# Altium PCB Spektrop2_Processor_Board_V1.PcbDoc (part 1 of 5) (continued)
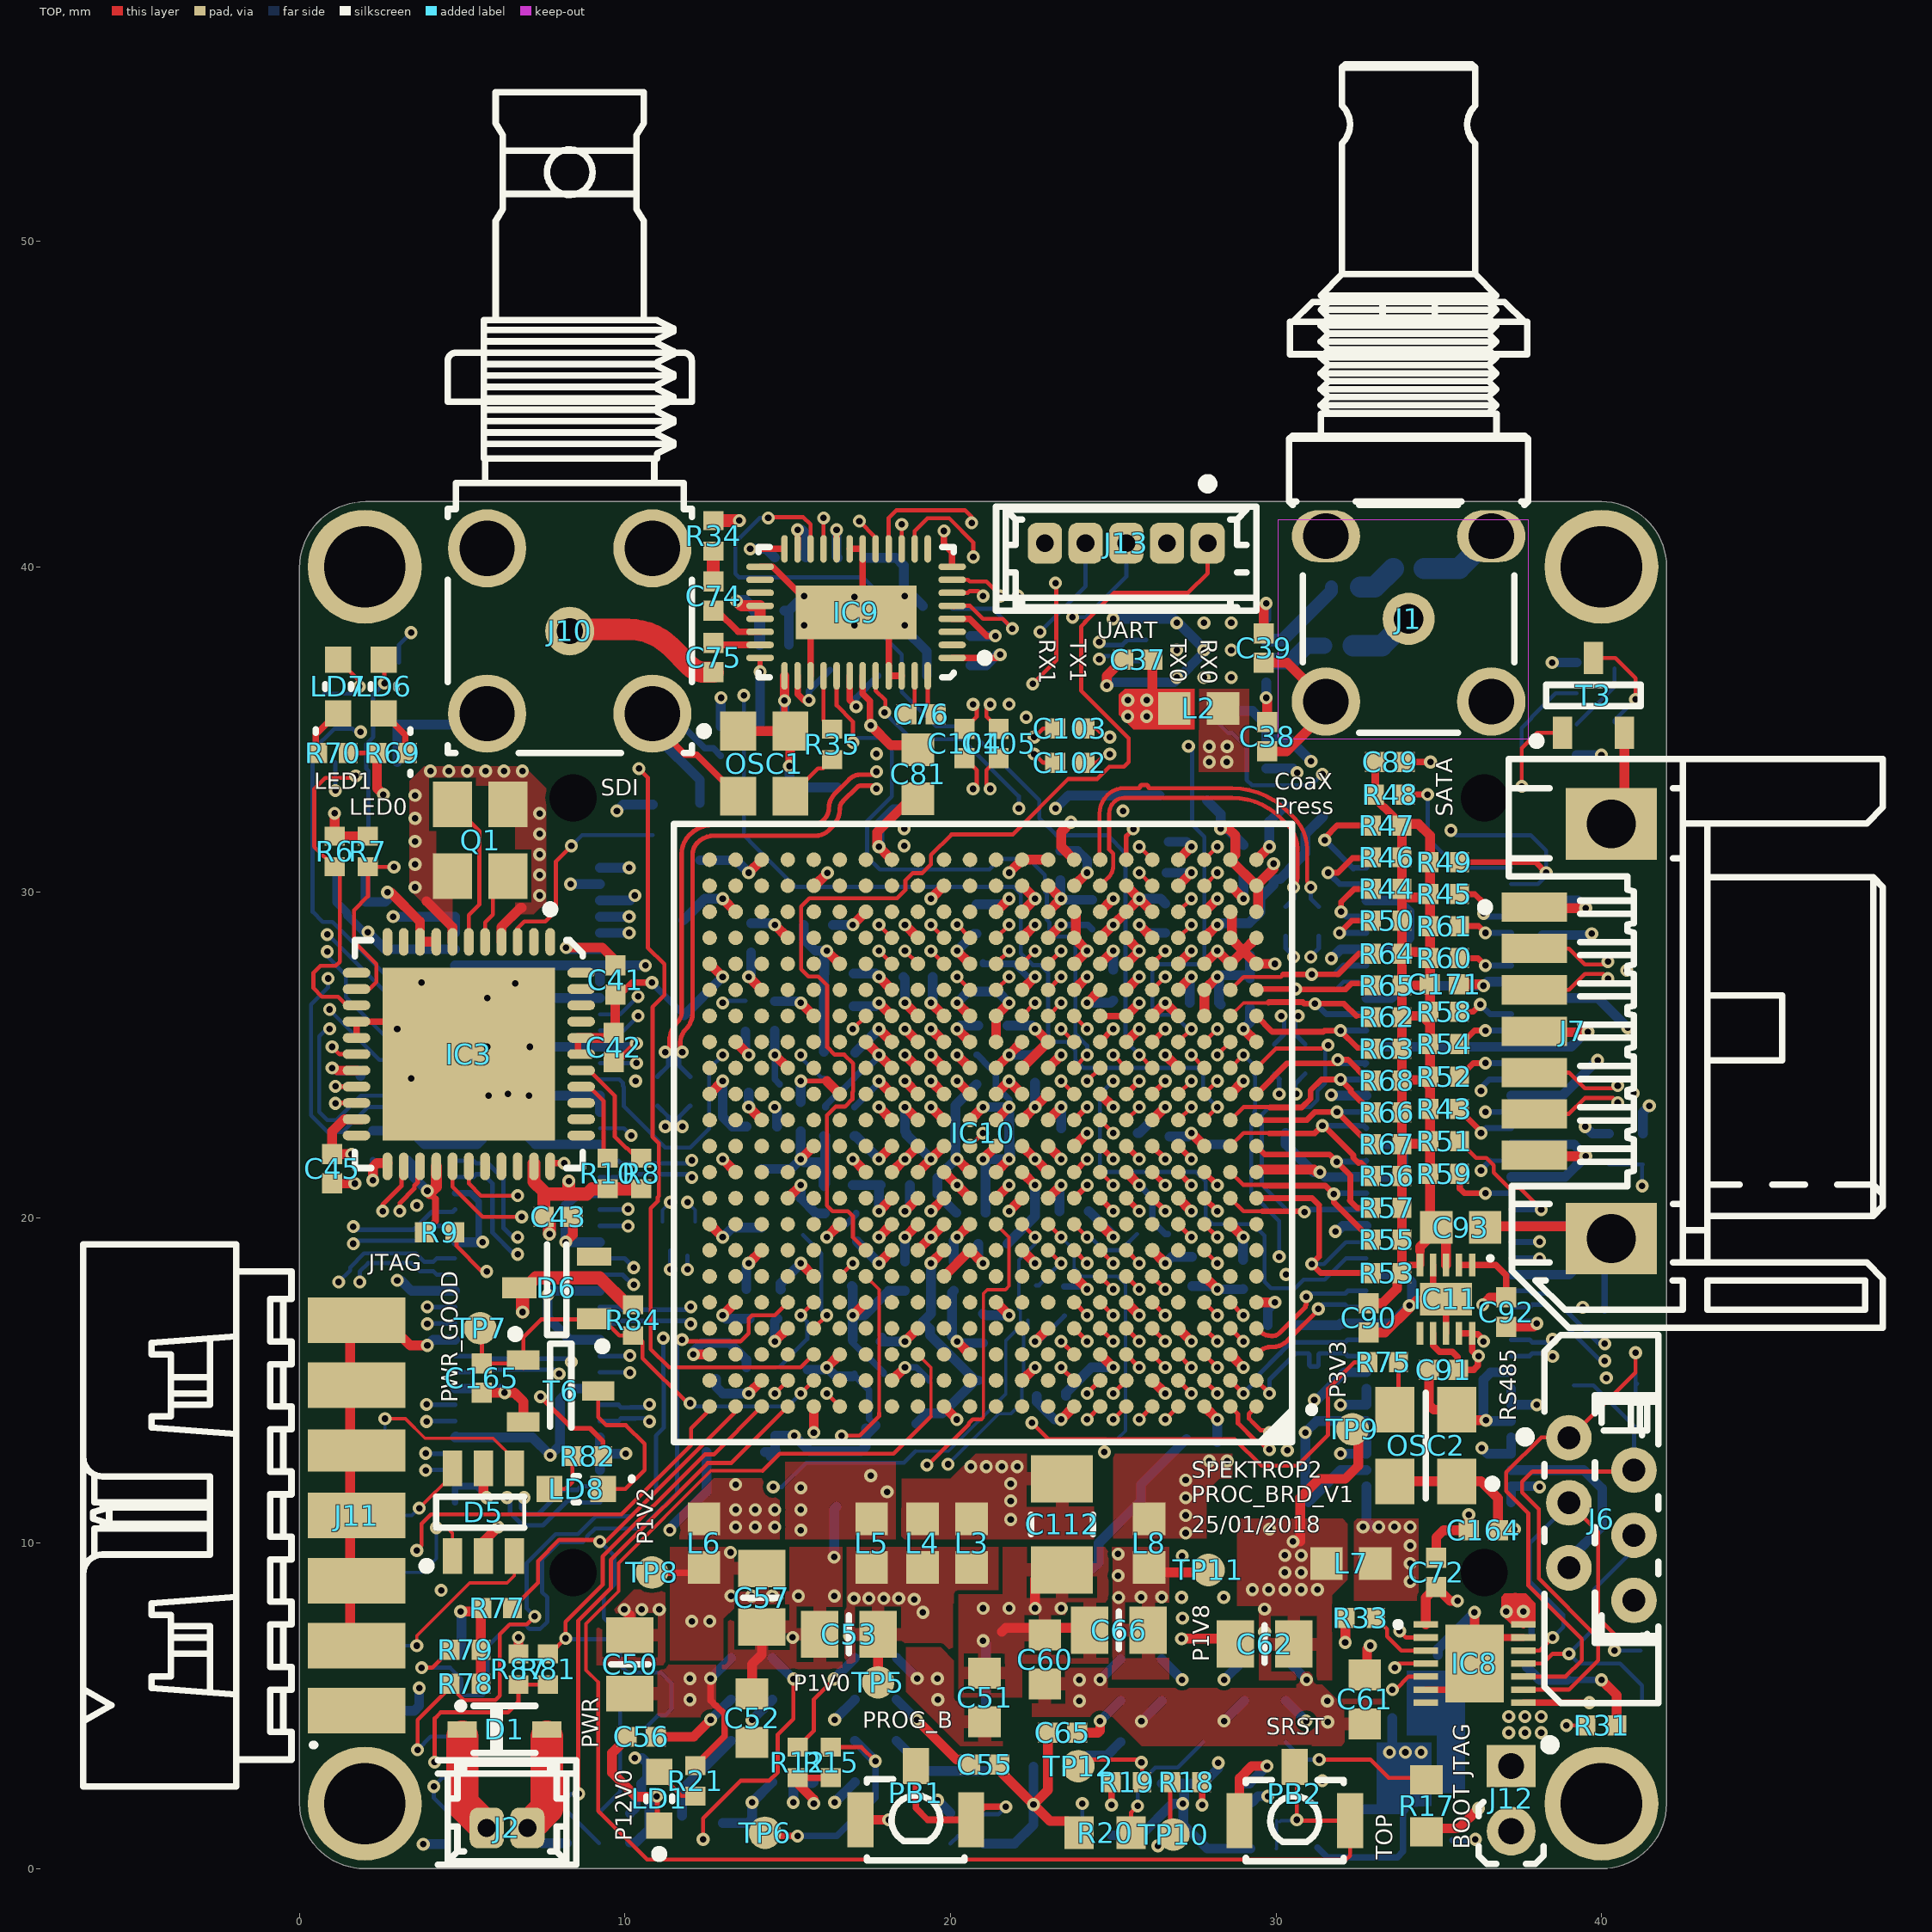
[diagram p0: TOP view]
## Classes and differential pairs (continued)
component class U_Zynq_FPGA_Bank13: IC10
net class MGT: MGT_RX0_C_N MGT_RX0_C_P MGT_RX0_N MGT_RX0_P MGT_TX0_C_N MGT_TX0_C_P MGT_TX0_N MGT_TX0_P MGT_TX1_C_N MGT_TX1_C_P MGT_TX1_N MGT_TX1_P MGT_TX2_C_N MGT_TX2_C_P MGT_TX2_N MGT_TX2_P nSDO0 nSDO0_C SDO0 SDO0_C
net class CLK: CLK_MGT0_C_N CLK_MGT0_C_P CLK_MGT0_N CLK_MGT0_P CLK_MGT1_C_N CLK_MGT1_C_P CLK_MGT1_N CLK_MGT1_P
net class HSTL_IN: FPGA_BANK34_HSTL_IN_IO0 FPGA_BANK34_HSTL_IN_IO1 FPGA_BANK34_HSTL_IN_IO5 FPGA_BANK34_HSTL_IN_IO7 FPGA_BANK34_HSTL_IN_IO8 FPGA_BANK34_HSTL_IN_IO10 FPGA_BANK34_HSTL_IN_IO11 FPGA_BANK34_HSTL_IN_IO12 FPGA_BANK34_HSTL_IN_IO13 FPGA_BANK34_HSTL_IN_IO14 FPGA_BANK34_HSTL_IN_IO15 FPGA_BANK34_HSTL_IN_IO16 FPGA_BANK34_HSTL_IN_IO17 FPGA_BANK34_HSTL_IN_IO18 FPGA_BANK34_HSTL_IN_IO19 FPGA_BANK34_HSTL_IN_IO20 FPGA_BANK34_HSTL_IN_IO21 FPGA_BANK34_HSTL_IN_IO22 FPGA_BANK34_HSTL_IN_IO23 FPGA_BANK34_HSTL_IN_IO24 FPGA_BANK34_HSTL_IN_IO25 FPGA_BANK34_HSTL_IO3 GS12281_GPIO1 SI5340_LOS_XAXBb Si5340_nLOL SI5340_nRST
net class CTRL: PS_CLK PS_SRST_B
differential pair FPGA_BANK35_DIFF19: +FPGA_BANK35_DIFF19_P -FPGA_BANK35_DIFF19_N
differential pair FPGA_BANK35_DIFF18: +FPGA_BANK35_DIFF18_P -FPGA_BANK35_DIFF18_N
differential pair FPGA_BANK35_DIFF17: +FPGA_BANK35_DIFF17_P -FPGA_BANK35_DIFF17_N
differential pair FPGA_BANK35_DIFF16: +FPGA_BANK35_DIFF16_P -FPGA_BANK35_DIFF16_N
differential pair FPGA_BANK35_DIFF15: +FPGA_BANK35_DIFF15_P -FPGA_BANK35_DIFF15_N
differential pair FPGA_BANK35_DIFF14: +FPGA_BANK35_DIFF14_P -FPGA_BANK35_DIFF14_N
differential pair FPGA_BANK35_DIFF13: +FPGA_BANK35_DIFF13_P -FPGA_BANK35_DIFF13_N
differential pair FPGA_BANK35_DIFF12: +FPGA_BANK35_DIFF12_P -FPGA_BANK35_DIFF12_N
differential pair FPGA_BANK35_DIFF11: +FPGA_BANK35_DIFF11_P -FPGA_BANK35_DIFF11_N
differential pair FPGA_BANK35_DIFF10: +FPGA_BANK35_DIFF10_P -FPGA_BANK35_DIFF10_N
differential pair FPGA_BANK35_DIFF9: +FPGA_BANK35_DIFF9_P -FPGA_BANK35_DIFF9_N
differential pair FPGA_BANK35_DIFF8: +FPGA_BANK35_DIFF8_P -FPGA_BANK35_DIFF8_N
differential pair FPGA_BANK35_DIFF7: +FPGA_BANK35_DIFF7_P -FPGA_BANK35_DIFF7_N
differential pair FPGA_BANK35_DIFF6: +FPGA_BANK35_DIFF1_P -FPGA_BANK35_DIFF1_N
differential pair FPGA_BANK35_DIFF5: +FPGA_BANK35_DIFF5_P -FPGA_BANK35_DIFF5_N
differential pair FPGA_BANK35_DIFF4: +FPGA_BANK35_DIFF4_P -FPGA_BANK35_DIFF4_N
differential pair FPGA_BANK35_DIFF3: +FPGA_BANK35_DIFF3_P -FPGA_BANK35_DIFF3_N
differential pair FPGA_BANK35_DIFF2: +FPGA_BANK35_DIFF2_P -FPGA_BANK35_DIFF2_N
differential pair FPGA_BANK35_DIFF1: +FPGA_BANK35_DIFF6_P -FPGA_BANK35_DIFF6_N
differential pair MGT_TX1: +MGT_TX1_P -MGT_TX1_N
differential pair CLK_MGT1: +CLK_MGT1_P -CLK_MGT1_N
differential pair CLK_MGT1_C: +CLK_MGT1_C_P -CLK_MGT1_C_N
differential pair CLK_MGT0: +CLK_MGT0_P -CLK_MGT0_N
differential pair CLK_MGT0_C: +CLK_MGT0_C_P -CLK_MGT0_C_N
differential pair MGT_TX0: +MGT_TX0_P -MGT_TX0_N
differential pair MGT_TX2: +MGT_TX2_P -MGT_TX2_N
differential pair MGT_TX0_C: +MGT_TX0_C_P -MGT_TX0_C_N
differential pair MGT_TX1_C: +MGT_TX1_C_P -MGT_TX1_C_N
differential pair MGT_TX2_C: +MGT_TX2_C_P -MGT_TX2_C_N
differential pair MGT_RX0_C: +MGT_RX0_C_P -MGT_RX0_C_N
differential pair MGT_RX0: +MGT_RX0_P -MGT_RX0_N

## Components (designator, comment, footprint, x,y, rotation, side; value= is the part's Value field where it differs from the comment)
C35 "33nF" CAPC1005X55N 31.925,37.575 r180 bottom
C36 "33nF" CAPC1005X55N 32.15,39.375 r180 bottom locked
C37 "100nF" CAPC1005X55N 25.75,37.15 r180 top locked
C38 "10nF" CAPC1005X55N 29.725,34.775 r270 top locked
C39 "10nF" CAPC1005X55N 29.625,37.5 r270 top locked
C40 "10nF" CAPC1005X55N 29.7,34.25 r270 bottom locked
C41 "1uF" CAPC1005X55N 9.7,27.3 r270 top locked
C42 "1uF" CAPC1005X55N 9.65,25.225 r90 top locked
C43 "1uF" CAPC1005X55N 7.95,20.025 r180 top locked
C44 "1uF" CAPC1005X55N 3.3,22.225 r270 bottom locked
C45 "1uF" CAPC1005X55N 1,21.5 r90 top locked
C46 "1uF" CAPC1005X55N 1.575,30.725 r0 bottom locked
C47 "1uF" CAPC1005X55N 1.575,29.7 r0 bottom locked
C48 "1uF" CAPC1005X55N 2.325,24.35 r180 bottom locked
C49 "1uF" CAPC1005X55N 2.25,22.225 r270 bottom locked
C50 "10uF" CAPC2012X95N 10.15,6.275 r270 top locked
C51 "4.7uF" CAPC1709X95N 21.045,5.26 r270 top locked
C52 "4.7uF" CAPC1709X95N 13.9,4.625 r270 top locked
C53 "47uF" CAPC2012X140N 16.875,7.2 r0 top locked
C54 "22uF" CAPC1709X100N 18.4,9.216 r180 bottom locked
C55 "100nF" CAPC1005X55N 21.05,3.2 r180 top locked
C56 "100nF" CAPC1005X55N 10.5,4.05 r0 top locked
C57 "47uF" CAPC2012X140N 14.2,8.325 r90 top locked
C58 "22uF" CAPC1709X100N 14.825,9.225 r180 bottom
C59 "10uF" CAPC2012X95N 22.6,6.025 r270 bottom locked
C60 "4.7uF" CAPC1709X95N 22.9,6.425 r270 top locked
C61 "4.7uF" CAPC1709X95N 32.725,5.2 r270 top locked
C62 "47uF" CAPC2012X140N 29.65,6.9 r0 top locked
C63 "22uF" CAPC1709X100N 28.725,9.45 r0 bottom locked
C64 "100nF" CAPC1005X55N 24.5,1.025 r180 bottom locked
C65 "100nF" CAPC1005X55N 23.44,4.173 r0 top locked
C66 "47uF" CAPC2012X140N 25.175,7.325 r0 top locked
C67 "22uF" CAPC1709X100N 25.147,9.2 r0 bottom locked
C72 "100nF" CAPC1005X55N 34.925,9.1 r270 top locked
C73 "1uF" CAPC1005X55N 37.7,6.65 r90 bottom locked
C74 "4.7uF" CAPC1005X55N 12.712,39.1 r90 top locked
C75 "4.7uF" CAPC1005X55N 12.712,37.208 r270 top locked
C76 "470nF" CAPC1005X55N 19.096,35.468 r180 top locked
C77 "10nF" CAPC1005X55N 12.944,34.642 r90 bottom locked
C78 "10nF" CAPC1005X55N 19.6,38.8 r0 bottom locked
C79 "1uF" CAPC1005X55N 20.55,37.45 r90 bottom locked
C80 "100nF" CAPC1005X55N 16.989,40.277 r180 bottom locked
C81 "10uF" CAPC1608X80N 19,33.625 r90 top locked
C82 "100nF" CAPC1005X55N 14.6,35.1 r0 bottom locked
C83 "100nF" CAPC1005X55N 15.1,40.275 r180 bottom locked
C84 "10uF" CAPC1608X80N 16.3,37.575 r270 bottom locked
C85 "10uF" CAPC1608X80N 18.525,36.65 r180 bottom locked
C86 "100nF" CAPC1005X55N 14.584,38.649 r180 bottom locked
C87 "100nF" CAPC1005X55N 14.584,37.61 r180 bottom locked
C88 "100nF" CAPC1005X55N 21.025,1.22 r90 bottom locked
C89 "100nF" CAPC1005X55N 33.5,34 r180 top locked
C90 "100nF" CAPC1005X55N 32.85,16.925 r90 top locked
C91 "1uF" CAPC1005X55N 35.15,15.325 r0 top locked
C92 "100nF" CAPC1005X55N 37.075,17.1 r270 top locked
C93 "10uF" CAPC1608X80N 35.675,19.7 r180 top locked
C94 "100nF" CAPC1005X55N 10.995,23.886 r90 bottom locked
C95 "100nF" CAPC1005X55N 12,23.886 r90 bottom locked
C96 "100nF" CAPC1005X55N 11.153,19.426 r90 bottom
C97 "100nF" CAPC1005X55N 12.158,19.426 r90 bottom
C98 "100nF" CAPC1005X55N 30.298,29.106 r90 bottom locked
C99 "100nF" CAPC1005X55N 29.945,24.874 r270 bottom locked
C100 "100nF" CAPC1005X55N 31.314,29.106 r90 bottom locked
C101 "100nF" CAPC1005X55N 30.9,24.875 r270 bottom locked
C102 "100nF" CAPC1005X55N 23.667,33.98 r180 top locked
C103 "100nF" CAPC1005X55N 23.667,35.029 r180 top locked
C104 "100nF" CAPC1005X55N 20.432,34.571 r90 top locked
C105 "100nF" CAPC1005X55N 21.48,34.571 r90 top locked
C106 "4.7uF" CAPC1005X55N 23.4,30.825 r270 bottom locked
C107 "100nF" CAPC1005X55N 26.7,31.1 r90 bottom locked
C108 "100nF" CAPC1005X55N 29,31 r90 bottom locked
C109 "330uF" CAPMP3528X210N 24.525,11.75 r0 bottom locked
C110 "4.7uF" CAPC1005X55N 16.6,25.1 r180 bottom locked
C111 "4.7uF" CAPC1005X55N 23.8,20.2 r0 bottom locked
C112 "100uF" CAPC3216X190N 23.425,10.575 r270 top locked
C113 "4.7uF" CAPC1005X55N 20.1,18.2 r270 bottom locked
C114 "47uF" CAPC2012X140N 13.4,12.8 r180 bottom locked
C115 "4.7uF" CAPC1005X55N 28.993,18.331 r270 bottom locked
C116 "4.7uF" CAPC1005X55N 29.199,26.9 r90 bottom locked
C117 "47uF" CAPC2012X140N 12.3,31.85 r90 bottom locked
C118 "4.7uF" CAPC1005X55N 16.564,27.5 r180 bottom locked
C119 "4.7uF" CAPC1005X55N 15.936,28.991 r180 bottom locked
C120 "47uF" CAPC2012X140N 14.199,20.6 r90 bottom locked
C121 "470nF" CAPC1005X55N 18.599,18.2 r270 bottom locked
C122 "470nF" CAPC1005X55N 16.7,22.5 r180 bottom locked
C123 "470nF" CAPC1005X55N 17.1,19.7 r90 bottom locked
C124 "470nF" CAPC1005X55N 21.3,19.2 r180 bottom locked
C125 "470nF" CAPC1005X55N 16.549,21 r180 bottom locked
C126 "470nF" CAPC1005X55N 18.3,21 r0 bottom locked
C127 "470nF" CAPC1005X55N 16.7,23.4 r180 bottom locked
C128 "470nF" CAPC1005X55N 26.275,22.5 r180 bottom locked
C129 "470nF" CAPC1005X55N 19,27.4 r0 bottom locked
C130 "470nF" CAPC1005X55N 15.4,23.1 r270 bottom locked
C131 "470nF" CAPC1005X55N 13.869,28.6 r270 bottom locked
C132 "470nF" CAPC1005X55N 20.9,29.175 r90 bottom locked
C133 "470nF" CAPC1005X55N 14.599,26.2 r270 bottom locked
C134 "4.7uF" CAPC1005X55N 26.6,29.3 r90 bottom locked
C135 "100nF" CAPC1005X55N 24.349,29.318 r90 bottom locked
C136 "100nF" CAPC1005X55N 27.799,26.6 r0 bottom locked
C137 "47uF" CAPC2012X140N 27.325,32.975 r0 bottom locked
C138 "4.7uF" CAPC1005X55N 23.5,17.435 r270 bottom locked
C139 "4.7uF" CAPC1005X55N 23.1,14.525 r180 bottom locked
C140 "100uF" CAPC3216X190N 17.925,33.225 r0 bottom locked
C141 "4.7uF" CAPC1005X55N 17.449,16.2 r180 bottom locked
C142 "470nF" CAPC1005X55N 20.999,16.6 r270 bottom locked
C143 "100uF" CAPC3216X190N 17.875,11.1 r180 bottom locked
C144 "4.7uF" CAPC1005X55N 21.3,25.9 r180 bottom locked
C145 "470nF" CAPC1005X55N 22.6,24.6 r90 bottom locked
C146 "4.7uF" CAPC1005X55N 29.175,28.6 r270 bottom locked
C147 "470nF" CAPC1005X55N 27.75,13.2 r180 bottom locked
C148 "470nF" CAPC1005X55N 30.199,16.7 r0 bottom locked
C149 "470nF" CAPC1005X55N 27.425,18.275 r270 bottom locked
C150 "470nF" CAPC1005X55N 20.625,20.15 r0 bottom locked
C151 "100nF" CAPC1005X55N 20.825,24.55 r90 bottom locked
C152 "47uF" CAPC2012X140N 29.4,22.25 r0 bottom locked
C153 "4.7uF" CAPC1005X55N 13.724,17.35 r90 bottom locked
C154 "470nF" CAPC1005X55N 14.215,24.1 r0 bottom locked
C155 "470nF" CAPC1005X55N 12.8,15.7 r90 bottom locked
C156 "100uF" CAPC3216X190N 11.696,27.737 r90 bottom locked
C157 "4.7uF" CAPC1005X55N 21,27.4 r90 bottom locked
C158 "470nF" CAPC1005X55N 16.564,26.45 r180 bottom locked
C159 "100uF" CAPC3216X190N 29.725,11.35 r0 bottom locked
C160 "4.7uF" CAPC1005X55N 14.679,17.342 r270 bottom locked
C161 "470nF" CAPC1005X55N 17.5,15.2 r0 bottom locked
C162 "470nF" CAPC1005X55N 19.675,16.825 r0 bottom locked
C163 "10uF" CAPC1608X80N 20.05,15.1 r180 bottom
C164 "100nF" CAPC1005X55N 36.375,10.4 r180 top locked
C165 "4.7uF" CAPC1005X55N 5.6,15.075 r270 top locked
C166 "100nF" CAPC1005X55N 29.565,0.616 r180 bottom locked
C167 "100nF" CAPC1005X55N 10.15,1.25 r270 bottom locked
C168 "1uF" CAPC1005X55N 31.3,1.025 r90 bottom locked
C169 "10uF" CAPC1005X70N 34.975,6.1 r270 bottom locked
C170 "1uF" CAPC1005X55N 34.025,4.625 r0 bottom locked
C171 "100nF" CAPC1005X55N 35.175,27.175 r180 top
D1 "CDSOD323-T12" SOD2513X114N 6.3,4.275 r0 top locked
D3 "SM712" SOT95P237X112-3N 40.1,16 r90 bottom locked
D4 "SM712" SOT95P237X112-3N 40.1,5.8 r180 bottom locked
D5 "PESD3V3S4UD" SOT95P280X110-6N 5.65,10.95 r90 top locked
D6 "BAT54" SOT95P240X130-3N 7.9,17.85 r180 top locked
IC2 "EQCO62T20.3" QFN65P400X400X95-17N-S215 27.85,37.425 r0 bottom locked
IC3 "SI5340B-D-GM" QFN50P700X700X90-45N-S530 5.2,25.025 r270 top locked
IC4 "LTM4622AEY#PBF" BGA25C127P5X5_625X625X262 15.795,5.2 r270 bottom locked
IC5 "LTM4622AEY#PBF" BGA25C127P5X5_625X625X262 27.76,5.16 r270 bottom locked
IC8 "MAX13433EETD+" SON40P300X300X80-15N-R180X240 36.1,6.3 r0 top locked
IC9 "GS12281-INE3" QFN40P600X400X100-41N-R370X168 17.1,38.6 r180 top locked
IC10 "XC7Z015-2CLG485E" BGA484C80P22X22_1900X1900X160 20.999,22.6 r180 top locked
IC11 "TPS51206DSQT" SON40P200X200X80-11N-R100X160 35.225,17.5 r270 top locked
IC12 "S25FL128LAGNFV01" SON127P600X500X80-9N-R350X410 7.825,4.69 r0 bottom locked
IC13 "LP38693SDX-5.0/NOPB" SON95P300X300X80-7N-R170X220 33.925,1.825 r0 bottom locked
J1 "75R" AMPHENOL_282139-75 34.075,38.4 r270 top locked
J2 "PicoBlade" MOLEX_53047-0210 6.375,1.25 r0 top locked
J6 "FFC/FPC" MOLEX_52030-0629 40,10.741 r270 top locked
J7 "SATA" 3M_5607-4200-SH 37.94,25.73 r90 top locked
J8 "Socket 80" SAMTEC_ERF5-040-05.0-L-DV-K 7,21 r90 bottom locked
J9 "Socket 80" SAMTEC_ERF5-040-05.0-L-DV-K 35,21 r90 bottom locked
J10 "HD-BNC" AMPHENOL_34-1030-12G 8.3,38.025 r270 top locked
J11 "Milli-Grid™" MOLEX_87831-1420_h -0.25,10.85 r90 top locked
J12 "Header 2" HARWIN_M22-2510205 37.225,3.15 r270 top locked
J13 "PicoBlade" MOLEX_53047-0510 25.4,40.725 r180 top locked
L2 "120R@100MHz" INDC1608X65N 27.625,35.65 r180 top locked
L3 "120R@100MHz" INDC1608X65N 20.65,10 r90 top locked
L4 "120R@100MHz" INDC1608X65N 19.137,10 r90 top locked
L5 "120R@100MHz" INDC1608X65N 17.575,10 r90 top locked
L6 "120R@100MHz" INDC1608X65N 12.425,10 r90 top locked
L7 "120R@100MHz" INDC1608X65N 32.3,9.375 r0 top
L8 "120R@100MHz" INDC1608X65N 26.1,10 r90 top locked
L9 "120R@100MHz" INDC1608X65N 19.4,22.6 r180 bottom locked
L10 "120R@100MHz" INDC1608X65N 22.6,22.6 r0 bottom locked
L11 "120R@100MHz" INDC1608X65N 31.025,32.6 r0 bottom locked
L12 "120R@100MHz" INDC1608X65N 18.225,13.65 r0 bottom locked
LD1 "Green" LED_KINGBRIGHT_KPH-1608CGCK 11.05,2.15 r90 top locked
LD5 "Green" LED_KINGBRIGHT_KPH-1608CGCK 40.403,36.047 r90 bottom locked
LD6 "Green" LED_KINGBRIGHT_KPH-1608CGCK 2.586,36.321 r270 top locked
LD7 "Green" LED_KINGBRIGHT_KPH-1608CGCK 1.186,36.321 r270 top locked
LD8 "Green" LED_KINGBRIGHT_KPH-1608CGCK 8.5,11.662 r180 top locked
OSC1 "27MHz" OSCCC200X250X90-4N 14.275,33.95 r0 top locked
OSC2 "33.33333MHz" OSC_SI-TIME_3.2X2.5X0.75mm 34.6,13 r180 top locked
PB1 "Push Button" PB_OMRON_B3U-1100P 18.935,1.5 r180 top locked
PB2 "Push Button" PB_OMRON_B3U-1100P 30.575,1.475 r180 top locked
Q1 "48MHz" XTAL_TXC_7M 5.55,31.6 r0 top locked
R5 "75" RESC1005X40N 34.075,39.95 r180 bottom locked
R6 "4k7" RESC1005X40N 1.075,31.25 r270 top locked
R7 "4k7" RESC1005X40N 2.1,31.25 r270 top locked
R8 "4k7" RESC1005X40N 10.491,21.355 r90 top locked
R9 "4k7" RESC1005X40N 4.3,19.55 r0 top locked
R10 "4k7" RESC1005X40N 9.471,21.355 r270 top locked
R11 "4k7" RESC1005X40N 10.85,32.225 r90 bottom locked
R12 "10k" RESC1005X40N 15.3,3.26 r90 top locked
R13 "60k4" RESC1608X55N 12.375,1.4 r180 bottom locked
R14 "90k9" RESC1608X55N 21.09,3.8 r270 bottom locked
R15 "10k" RESC1005X40N 16.319,3.26 r90 top locked
R16 "30k1" RESC1608X55N 23.35,3.14 r0 bottom locked
R17 "13k3" RESC1608X55N 34.625,1.925 r90 top locked
R18 "10k" RESC1005X40N 27.25,2.65 r180 top locked
R19 "10k" RESC1005X40N 25.415,2.66 r0 top locked
R20 "324k" RESC1608X55N 24.75,1.1 r0 top locked
R21 "10k" RESC1005X40N 12.16,2.7 r90 top locked
R31 "4k7" RESC1005X40N 40,4.4 r180 top locked
R32 "100" RESC1005X40N 39.3,7.8 r0 bottom locked
R33 "4k7" RESC1005X40N 32.6,7.7 r180 top locked
R34 "75" RESC1005X40N 12.712,40.95 r90 top locked
R35 "22" RESC1005X40N 16.361,34.545 r90 top locked
R36 "22" RESC1005X40N 22.625,17.45 r90 bottom locked
R37 "4k7" RESC1005X40N 13.7,26.193 r90 bottom locked
R38 "0" RESC1005X40N 16.5,24.3 r180 bottom locked
R39 "1k" RESC1005X40N 39.242,34.687 r270 bottom locked
R40 "4k7" RESC1005X40N 19.995,1.235 r90 bottom locked
R41 "330" RESC1005X40N 39.242,36.587 r90 bottom locked
R42 "100" RESC1005X40N 26.2,19.5 r0 bottom locked
R43 "49R9" RESC1005X40N 35.175,23.34 r180 top locked
R44 "49R9" RESC1005X40N 33.4,30.1 r0 top locked
R45 "49R9" RESC1005X40N 35.175,29.942 r180 top locked
R46 "49R9" RESC1005X40N 33.4,31.075 r0 top locked
R47 "49R9" RESC1005X40N 33.4,32.05 r0 top locked
R48 "49R9" RESC1005X40N 33.5,33 r180 top locked
R49 "49R9" RESC1005X40N 35.175,30.925 r180 top locked
R50 "49R9" RESC1005X40N 33.4,29.125 r0 top locked
R51 "49R9" RESC1005X40N 35.175,22.345 r180 top locked
R52 "49R9" RESC1005X40N 35.175,24.335 r180 top locked
R53 "49R9" RESC1005X40N 33.4,18.3 r0 top locked
R54 "49R9" RESC1005X40N 35.175,25.33 r180 top locked
R55 "49R9" RESC1005X40N 33.4,19.325 r0 top locked
R56 "49R9" RESC1005X40N 33.4,21.277 r0 top locked
R57 "49R9" RESC1005X40N 33.4,20.3 r0 top locked
R58 "49R9" RESC1005X40N 35.175,26.325 r180 top locked
R59 "49R9" RESC1005X40N 35.175,21.35 r180 top locked
R60 "49R9" RESC1005X40N 35.175,27.975 r180 top locked
R61 "49R9" RESC1005X40N 35.175,28.958 r180 top locked
R62 "49R9" RESC1005X40N 33.4,26.162 r0 top locked
R63 "49R9" RESC1005X40N 33.4,25.185 r0 top locked
R64 "49R9" RESC1005X40N 33.4,28.115 r0 top locked
R65 "49R9" RESC1005X40N 33.4,27.138 r0 top locked
R66 "49R9" RESC1005X40N 33.4,23.231 r0 top locked
R67 "49R9" RESC1005X40N 33.4,22.254 r0 top locked
R68 "49R9" RESC1005X40N 33.4,24.208 r0 top locked
R69 "1k" RESC1005X40N 2.85,34.275 r180 top locked
R70 "1k" RESC1005X40N 1.03,34.275 r0 top locked
R71 "100" RESC1005X40N 14.2,22.7 r0 bottom locked
R72 "Undefined" RESC1005X40N 40.231,22.111 r270 bottom locked
R73 "1k" RESC1005X40N 41.271,22.111 r90 bottom locked
R74 "100" RESC1005X40N 24.9,27.125 r270 bottom locked
R75 "22" RESC1005X40N 33.293,15.557 r0 top locked
R76 "4k7" RESC1005X40N 4.6,1.225 r270 bottom locked
R77 "20k" RESC1005X40N 6.075,8 r180 top locked
R78 "20k" RESC1005X40N 5.1,5.675 r0 top locked
R79 "20k" RESC1005X40N 5.1,6.725 r0 top locked
R80 "20k" RESC1005X40N 8.215,1.25 r270 bottom locked
R81 "20k" RESC1005X40N 7.625,6.125 r270 top locked
R82 "1k" RESC1005X40N 8.85,12.675 r0 top locked
R83 "10k" RESC1005X40N 29.55,1.475 r180 bottom locked
R84 "20k" RESC1005X40N 10.25,16.85 r90 top locked
R85 "20k" RESC1005X40N 15.8,19.8 r225 bottom locked
R86 "20k" RESC1005X40N 15.6,15.8 r90 bottom locked
R87 "1k" RESC1005X40N 6.725,6.125 r90 top locked
R88 "Undefined" RESC1005X40N 14.2,15.4 r180 bottom locked
R89 "Undefined" RESC1005X40N 16.5,17.9 r0 bottom locked
R90 "22" RESC1005X40N 9.2,1.25 r90 bottom locked
R91 "0" RESC1005X40N 35.975,4.625 r0 bottom locked
T3 "BSH103" SOT95P230X110-3N 39.753,36.047 r90 top locked
T4 "BSH103" SOT95P230X110-3N 2.05,32.85 r270 bottom locked
T5 "BSH103" SOT95P230X110-3N 1.9,36.1 r180 bottom locked
T6 "BSH103" SOT95P230X110-3N 8.025,14.675 r0 top locked
TP5 "SMD Pad" C100 17.775,5.725 r180 top locked
TP6 "SMD Pad" C100 14.301,1.1 r0 top locked
TP7 "SMD Pad" C100 5.55,16.6 r0 top locked
TP8 "SMD Pad" C100 10.825,9.1 r180 top locked
TP9 "SMD Pad" C100 32.35,13.5 r180 top locked
TP10 "SMD Pad" C100 26.85,1.05 r180 top locked
TP11 "SMD Pad" C100 27.925,9.175 r180 top locked
TP12 "SMD Pad" C100 23.925,3.15 r180 top locked
TP16 "SMD Pad" C100 36.575,5.925 r0 bottom locked

## Footprints (in the part's own frame and the unit in brackets; to place one, negate y for a bottom-side part, rotate by r counter-clockwise, add the part's x,y. Pads: shape width x height; smd on the part's side, far side on the other; paste and mask are expansions set on the pad)
3M_5607-4200-SH [mm] "1.27mm (.050\") Pitch, Surface Mount, Right Angle, Serial ATA Plug (SATA)"
  rect 0.9x2 smd: 1(3.81,0) 2(2.54,0) 3(1.27,0) 4(0,0) 5(-1.27,0) 6(-2.54,0) 7(-3.81,0)
  rect 2.2x2.8 hole 1.5: 8(-6.37,-2.36) 8(6.37,-2.36)
  silkscreen extent -9.11,-10.71 8.36,1.64, body extent -9.11,-10.71 8.36,0.79, height 4
AMPHENOL_34-1030-12G [mm] "75 Ohm HD-BNC Through Hole Right Angle PCB Jack"
  round 1.5 hole 0.8: 1(0,0)
  round 2.4 hole 1.7: 2(-2.54,2.54) 2(-2.54,-2.54) 2(2.54,2.54) 2(2.54,-2.54)
  silkscreen extent -16.55,-3.75 3.75,3.75, body extent -16.55,-3.75 3.75,3.75, height 8
AMPHENOL_282139-75 [mm] "75 Ohm 1.0/2.3 Right Angle Through Hole PCB Jack"
  round 1.6 hole 0.9: 1(0,0)
  oval 1.6x2.1 hole 1.4: 2(-2.54,2.54) 2(-2.54,-2.54)
  round 2.1 hole 1.4: 2(2.54,2.54) 2(2.54,-2.54)
  silkscreen extent -17.04,-3.67 3.5,3.67, body extent -17.04,-3.67 3.5,3.67, height 7.4
BGA25C127P5X5_625X625X262 [mm] "BGA, 1.27mm Pitch, Square; 25 Pin, 5 Columns X 5 Rows, 6.25mm X 6.25mm X 2.62mm H"
  round 0.6 smd: A1(-2.54,2.54) A2(-1.27,2.54) A3(0,2.54) A4(1.27,2.54) A5(2.54,2.54) B1(-2.54,1.27) B2(-1.27,1.27) B3(0,1.27) B4(1.27,1.27) B5(2.54,1.27) C1(-2.54,0) C2(-1.27,0) C3(0,0) C4(1.27,0) C5(2.54,0) D1(-2.54,-1.27) D2(-1.27,-1.27) D3(0,-1.27) D4(1.27,-1.27) D5(2.54,-1.27) E1(-2.54,-2.54) E2(-1.27,-2.54) E3(0,-2.54) E4(1.27,-2.54) E5(2.54,-2.54)
  silkscreen extent -3.71,-3.15 3.15,3.15, body extent -3.12,-3.12 3.13,3.13, height 2.62
BGA484C80P22X22_1900X1900X160 [mm] "BGA, 0.80mm Pitch, Square; 484 Pins, 22 Columns X 22 Rows, 19.00mm X 19.00mm X 1.60mm H"
  round 0.45 smd: A1(-8.4,8.4) A2(-7.6,8.4) A3(-6.8,8.4) A4(-6,8.4) A5(-5.2,8.4) A6(-4.4,8.4) A7(-3.6,8.4) A8(-2.8,8.4) A9(-2,8.4) A10(-1.2,8.4) A11(-0.4,8.4) A12(0.4,8.4) A13(1.2,8.4) A14(2,8.4) A15(2.8,8.4) A16(3.6,8.4) A17(4.4,8.4) A18(5.2,8.4) A19(6,8.4) A20(6.8,8.4) A21(7.6,8.4) A22(8.4,8.4) AA1(-8.4,-7.6) AA2(-7.6,-7.6) AA3(-6.8,-7.6) AA4(-6,-7.6) AA5(-5.2,-7.6) AA6(-4.4,-7.6) AA7(-3.6,-7.6) AA8(-2.8,-7.6) AA9(-2,-7.6) AA10(-1.2,-7.6) AA11(-0.4,-7.6) AA12(0.4,-7.6) AA13(1.2,-7.6) AA14(2,-7.6) AA15(2.8,-7.6) AA16(3.6,-7.6) AA17(4.4,-7.6) AA18(5.2,-7.6) AA19(6,-7.6) AA20(6.8,-7.6) AA21(7.6,-7.6) AA22(8.4,-7.6) AB1(-8.4,-8.4) AB2(-7.6,-8.4) AB3(-6.8,-8.4) AB4(-6,-8.4) AB5(-5.2,-8.4) AB6(-4.4,-8.4) AB7(-3.6,-8.4) AB8(-2.8,-8.4) AB9(-2,-8.4) AB10(-1.2,-8.4) AB11(-0.4,-8.4) AB12(0.4,-8.4) AB13(1.2,-8.4) AB14(2,-8.4) AB15(2.8,-8.4) AB16(3.6,-8.4) AB17(4.4,-8.4) AB18(5.2,-8.4) AB19(6,-8.4) AB20(6.8,-8.4) AB21(7.6,-8.4) AB22(8.4,-8.4) B1(-8.4,7.6) B2(-7.6,7.6) B3(-6.8,7.6) B4(-6,7.6) B5(-5.2,7.6) B6(-4.4,7.6) B7(-3.6,7.6) B8(-2.8,7.6) B9(-2,7.6) B10(-1.2,7.6) B11(-0.4,7.6) B12(0.4,7.6) B13(1.2,7.6) B14(2,7.6) B15(2.8,7.6) B16(3.6,7.6) B17(4.4,7.6) B18(5.2,7.6) B19(6,7.6) B20(6.8,7.6) B21(7.6,7.6) B22(8.4,7.6) C1(-8.4,6.8) C2(-7.6,6.8) C3(-6.8,6.8) C4(-6,6.8) C5(-5.2,6.8) C6(-4.4,6.8) C7(-3.6,6.8) C8(-2.8,6.8) C9(-2,6.8) C10(-1.2,6.8) C11(-0.4,6.8) C12(0.4,6.8) C13(1.2,6.8) C14(2,6.8) C15(2.8,6.8) C16(3.6,6.8) C17(4.4,6.8) C18(5.2,6.8) C19(6,6.8) C20(6.8,6.8) C21(7.6,6.8) C22(8.4,6.8) D1(-8.4,6) D2(-7.6,6) D3(-6.8,6) D4(-6,6) D5(-5.2,6) D6(-4.4,6) D7(-3.6,6) D8(-2.8,6) D9(-2,6) D10(-1.2,6) D11(-0.4,6) D12(0.4,6) D13(1.2,6) D14(2,6) D15(2.8,6) D16(3.6,6) D17(4.4,6) D18(5.2,6) D19(6,6) D20(6.8,6) D21(7.6,6) D22(8.4,6) E1(-8.4,5.2) E2(-7.6,5.2) E3(-6.8,5.2) E4(-6,5.2) E5(-5.2,5.2) E6(-4.4,5.2) E7(-3.6,5.2) E8(-2.8,5.2) E9(-2,5.2) E10(-1.2,5.2) E11(-0.4,5.2) E12(0.4,5.2) E13(1.2,5.2) E14(2,5.2) E15(2.8,5.2) E16(3.6,5.2) E17(4.4,5.2) E18(5.2,5.2) E19(6,5.2) E20(6.8,5.2) E21(7.6,5.2) E22(8.4,5.2) F1(-8.4,4.4) F2(-7.6,4.4) F3(-6.8,4.4) F4(-6,4.4) F5(-5.2,4.4) F6(-4.4,4.4) F7(-3.6,4.4) F8(-2.8,4.4) F9(-2,4.4) F10(-1.2,4.4) F11(-0.4,4.4) F12(0.4,4.4) F13(1.2,4.4) F14(2,4.4) F15(2.8,4.4) F16(3.6,4.4) F17(4.4,4.4) F18(5.2,4.4) F19(6,4.4) F20(6.8,4.4) F21(7.6,4.4) F22(8.4,4.4) G1(-8.4,3.6) G2(-7.6,3.6) G3(-6.8,3.6) G4(-6,3.6) G5(-5.2,3.6) G6(-4.4,3.6) G7(-3.6,3.6) G8(-2.8,3.6) G9(-2,3.6) G10(-1.2,3.6) G11(-0.4,3.6) G12(0.4,3.6) G13(1.2,3.6) G14(2,3.6) G15(2.8,3.6) G16(3.6,3.6) G17(4.4,3.6) G18(5.2,3.6) G19(6,3.6) G20(6.8,3.6) G21(7.6,3.6) G22(8.4,3.6) H1(-8.4,2.8) H2(-7.6,2.8) H3(-6.8,2.8) H4(-6,2.8) H5(-5.2,2.8) H6(-4.4,2.8) H7(-3.6,2.8) H8(-2.8,2.8) H9(-2,2.8) H10(-1.2,2.8) H11(-0.4,2.8) H12(0.4,2.8) H13(1.2,2.8) H14(2,2.8) H15(2.8,2.8) H16(3.6,2.8) H17(4.4,2.8) H18(5.2,2.8) H19(6,2.8) H20(6.8,2.8) H21(7.6,2.8) H22(8.4,2.8) J1(-8.4,2) J2(-7.6,2) J3(-6.8,2) J4(-6,2) J5(-5.2,2) J6(-4.4,2) J7(-3.6,2) J8(-2.8,2) J9(-2,2) J10(-1.2,2) J11(-0.4,2) J12(0.4,2) J13(1.2,2) J14(2,2) J15(2.8,2) J16(3.6,2) J17(4.4,2) J18(5.2,2) J19(6,2) J20(6.8,2) J21(7.6,2) J22(8.4,2) K1(-8.4,1.2) K2(-7.6,1.2) K3(-6.8,1.2) K4(-6,1.2) K5(-5.2,1.2) K6(-4.4,1.2) K7(-3.6,1.2) K8(-2.8,1.2) K9(-2,1.2) K10(-1.2,1.2) K11(-0.4,1.2) K12(0.4,1.2) K13(1.2,1.2) K14(2,1.2) K15(2.8,1.2) K16(3.6,1.2) K17(4.4,1.2) K18(5.2,1.2) K19(6,1.2) K20(6.8,1.2) K21(7.6,1.2) K22(8.4,1.2) L1(-8.4,0.4) L2(-7.6,0.4) L3(-6.8,0.4) L4(-6,0.4) L5(-5.2,0.4) L6(-4.4,0.4) L7(-3.6,0.4) L8(-2.8,0.4) L9(-2,0.4) L10(-1.2,0.4) L11(-0.4,0.4) L12(0.4,0.4) L13(1.2,0.4) L14(2,0.4) L15(2.8,0.4) L16(3.6,0.4) L17(4.4,0.4) L18(5.2,0.4) L19(6,0.4) L20(6.8,0.4) L21(7.6,0.4) L22(8.4,0.4) M1(-8.4,-0.4) M2(-7.6,-0.4) M3(-6.8,-0.4) M4(-6,-0.4) M5(-5.2,-0.4) M6(-4.4,-0.4) M7(-3.6,-0.4) M8(-2.8,-0.4) M9(-2,-0.4) M10(-1.2,-0.4) M11(-0.4,-0.4) M12(0.4,-0.4) M13(1.2,-0.4) M14(2,-0.4) M15(2.8,-0.4) M16(3.6,-0.4) M17(4.4,-0.4) M18(5.2,-0.4) M19(6,-0.4) M20(6.8,-0.4) M21(7.6,-0.4) M22(8.4,-0.4) N1(-8.4,-1.2) N2(-7.6,-1.2) N3(-6.8,-1.2) N4(-6,-1.2) N5(-5.2,-1.2) N6(-4.4,-1.2) N7(-3.6,-1.2) N8(-2.8,-1.2) N9(-2,-1.2) N10(-1.2,-1.2) N11(-0.4,-1.2) N12(0.4,-1.2) N13(1.2,-1.2) N14(2,-1.2) N15(2.8,-1.2) N16(3.6,-1.2) N17(4.4,-1.2) N18(5.2,-1.2) N19(6,-1.2) N20(6.8,-1.2) N21(7.6,-1.2) N22(8.4,-1.2) P1(-8.4,-2) P2(-7.6,-2) P3(-6.8,-2) P4(-6,-2) P5(-5.2,-2) P6(-4.4,-2) P7(-3.6,-2) P8(-2.8,-2) P9(-2,-2) P10(-1.2,-2) P11(-0.4,-2) P12(0.4,-2) P13(1.2,-2) P14(2,-2) P15(2.8,-2) P16(3.6,-2) P17(4.4,-2) P18(5.2,-2) P19(6,-2) P20(6.8,-2) P21(7.6,-2) P22(8.4,-2) R1(-8.4,-2.8) R2(-7.6,-2.8) R3(-6.8,-2.8) R4(-6,-2.8) R5(-5.2,-2.8) R6(-4.4,-2.8) R7(-3.6,-2.8) R8(-2.8,-2.8) R9(-2,-2.8) R10(-1.2,-2.8) R11(-0.4,-2.8) R12(0.4,-2.8) R13(1.2,-2.8) R14(2,-2.8) R15(2.8,-2.8) R16(3.6,-2.8) R17(4.4,-2.8) R18(5.2,-2.8) R19(6,-2.8) R20(6.8,-2.8) R21(7.6,-2.8) R22(8.4,-2.8) T1(-8.4,-3.6) T2(-7.6,-3.6) T3(-6.8,-3.6) T4(-6,-3.6) T5(-5.2,-3.6) T6(-4.4,-3.6) T7(-3.6,-3.6) T8(-2.8,-3.6) T9(-2,-3.6) T10(-1.2,-3.6) T11(-0.4,-3.6) T12(0.4,-3.6) T13(1.2,-3.6) T14(2,-3.6) T15(2.8,-3.6) T16(3.6,-3.6) T17(4.4,-3.6) T18(5.2,-3.6) T19(6,-3.6) T20(6.8,-3.6) T21(7.6,-3.6) T22(8.4,-3.6) U1(-8.4,-4.4) U2(-7.6,-4.4) U3(-6.8,-4.4) U4(-6,-4.4) U5(-5.2,-4.4) U6(-4.4,-4.4) U7(-3.6,-4.4) U8(-2.8,-4.4) U9(-2,-4.4) U10(-1.2,-4.4) U11(-0.4,-4.4) U12(0.4,-4.4) U13(1.2,-4.4) U14(2,-4.4) U15(2.8,-4.4) U16(3.6,-4.4) U17(4.4,-4.4) U18(5.2,-4.4) U19(6,-4.4) U20(6.8,-4.4) U21(7.6,-4.4) U22(8.4,-4.4) V1(-8.4,-5.2) V2(-7.6,-5.2) V3(-6.8,-5.2) V4(-6,-5.2) V5(-5.2,-5.2) V6(-4.4,-5.2) V7(-3.6,-5.2) V8(-2.8,-5.2) V9(-2,-5.2) V10(-1.2,-5.2) V11(-0.4,-5.2) V12(0.4,-5.2) V13(1.2,-5.2) V14(2,-5.2) V15(2.8,-5.2) V16(3.6,-5.2) V17(4.4,-5.2) V18(5.2,-5.2) V19(6,-5.2) V20(6.8,-5.2) V21(7.6,-5.2) V22(8.4,-5.2) W1(-8.4,-6) W2(-7.6,-6) W3(-6.8,-6) W4(-6,-6) W5(-5.2,-6) W6(-4.4,-6) W7(-3.6,-6) W8(-2.8,-6) W9(-2,-6) W10(-1.2,-6) W11(-0.4,-6) W12(0.4,-6) W13(1.2,-6) W14(2,-6) W15(2.8,-6) W16(3.6,-6) W17(4.4,-6) W18(5.2,-6) W19(6,-6) W20(6.8,-6) W21(7.6,-6) W22(8.4,-6) Y1(-8.4,-6.8) Y2(-7.6,-6.8) Y3(-6.8,-6.8) Y4(-6,-6.8) Y5(-5.2,-6.8) Y6(-4.4,-6.8) Y7(-3.6,-6.8) Y8(-2.8,-6.8) Y9(-2,-6.8) Y10(-1.2,-6.8) Y11(-0.4,-6.8) Y12(0.4,-6.8) Y13(1.2,-6.8) Y14(2,-6.8) Y15(2.8,-6.8) Y16(3.6,-6.8) Y17(4.4,-6.8) Y18(5.2,-6.8) Y19(6,-6.8) Y20(6.8,-6.8) Y21(7.6,-6.8) Y22(8.4,-6.8)
  silkscreen extent -10.2,-9.5 9.5,9.5, body extent -9.5,-9.5 9.5,9.5, height 1.6
C100 [mm] "1mm Diameter SMD Pad"
  round 1 smd paste-1: 1(0,0)
CAPC1005X55N [mm] "Chip Capacitor, Body 1.0x0.55mm, IPC Medium Density"
  rect 0.62x0.62 smd: 1(-0.45,0) 2(0.45,0)
  body extent -0.52,-0.27 0.53,0.28, height 0.55
CAPC1005X70N [mm] "Capacitor, Non-Polarized, Chip; 1.00mm L X 0.50mm W X 0.70mm H, IPC Medium Density"
  rect 0.71x0.72 smd: 1(-0.46,0) 2(0.46,0)
  body extent -0.6,-0.35 0.6,0.35, height 0.7
CAPC1608X80N [mm] "Chip Capacitor, Body 1.6x0.8mm IPC Medium Density"
  rect 1x1 smd: 1(-0.75,0) 2(0.75,0)
  body extent -0.87,-0.47 0.88,0.48, height 0.8
CAPC1709X95N [mm] "Capacitor, non-Polarized, Chip; 1.65mm L X 0.85mm W X 0.95mm H,IPC Medium Density"
  rect 0.95x1 smd: 1(-0.75,0) 2(0.75,0)
  body extent -0.87,-0.47 0.88,0.48, height 0.95
CAPC1709X100N [mm] "Capacitor,non-Polarized, Chip;1.65mm L X 0.85mm W X 1.00mm H, IPC Medium Density"
  rect 0.95x1.05 smd: 1(-0.8,0) 2(0.8,0)
  body extent -0.9,-0.5 0.9,0.5, height 1
CAPC2012X95N [mm] "Chip Capacitor, Body 2.0x1.25mm, IPC Medium Density"
  rect 1.1x1.45 smd: 1(-0.9,0) 2(0.9,0)
  silkscreen extent 0,-0.57 0,0.57, body extent -1.05,-0.67 1.05,0.68, height 0.95
CAPC2012X140N [mm] "Chip Capacitor, Body 2.0x1.25mm, IPC Medium Density"
  rect 1.15x1.45 smd: 1(-0.9,0) 2(0.9,0)
  silkscreen extent 0,-0.57 0,0.57, body extent -1.05,-0.67 1.05,0.68, height 1.3
CAPC3216X190N [mm] "Chip Capacitor, Body 3.2x1.6mm, IPC Medium Density"
  rect 1.45x1.9 smd: 1(-1.4,0) 2(1.4,0)
  silkscreen extent -0.3,-0.95 0.3,0.95, body extent -1.75,-0.95 1.75,0.95, height 1.9
CAPMP3528X210N [mm] "Capacitor, Polarized, Molded  Body 3.5x2.8mm, IPC Medium Density"
  rect 1.8x2.25 smd: 1(-1.45,0) 2(1.45,0)
  silkscreen extent -2.52,-1.5 1.85,1.72, body extent -1.85,-1.5 1.85,1.5, height 2.1
HARWIN_M22-2510205 [mm] "2 Contacts - Pitch 2mm - Single Row Through Mount Straight Header (Post Lead = 3.5mm, Tail Lead 2.3mm, Insulator 1.5mm)"
  rect 1.3x1.5 hole 0.8: 1(0,0)
  round 1.5 hole 0.8: 2(2,0)
  silkscreen extent -0.8,-1 3,1.34, body extent -1,-1 3,1, height 5
INDC1608X65N [mm] "Chip Inductor, 2-Leads, EIA 0603, Metric 1608, Body 1.6x0.8mm, IPC Medium Density"
  rect 1x1 smd: 1(-0.75,0) 2(0.75,0)
  body extent -0.87,-0.47 0.88,0.48, height 0.65
LED_KINGBRIGHT_KPH-1608CGCK [mm] "SMT Green LED, Case 0603, Body L 1.6 x W 0.8mm H 0.65mm"
  rect 0.8x0.8 smd: 1(-0.825,0) 2(0.825,0)
  silkscreen extent -1.82,-0.4 0.08,0.4, body extent -0.8,-0.4 0.8,0.4, height 0.65
MOLEX_52030-0629 [mm] "6 Contacts, 1.0mm Pitch, Vertical Through-Hole FCC/FPC Connector"
  round 1.4 hole 0.7: 1(-2.5,-1) 2(-1.5,1) 3(-0.5,-1) 4(0.5,1) 5(1.5,-1) 6(2.5,1)
  silkscreen extent -5.65,-2.5 5.65,1.75, body extent -5.65,-1.75 5.65,1.75, height 6.7
MOLEX_53047-0210 [mm] "1.25mm Pitch PicoBlade™ Wire-to-Board 2 Circuits Vertical Header with Friction Lock"
  rrect50% 1.05x1.25 hole 0.55: 1(-0.625,0) 2(0.625,0)
  silkscreen extent -2.13,-1.13 2.13,2.08, body extent -2.12,-1.17 2.13,2.08, height 4.2
MOLEX_53047-0510 [mm] "1.25mm Pitch PicoBlade™ Wire-to-Board 5 Circuits Vertical Header with Friction Lock"
  rrect50% 1.05x1.25 hole 0.55: 1(-2.5,0) 2(-1.25,0) 3(0,0) 4(1.25,0) 5(2.5,0)
  silkscreen extent -4,-1.97 4,2.08, body extent -4,-1.12 4,2.08, height 4.2
MOLEX_87831-1420_h [mm] "2.00mm (.079\") Pitch Milli-Grid™ Header, Vertical, Shrouded, Center Polarization Slot, Locking Window, 14 Circuits (Customized PCB Edge assembly)"
  rect 1.4x3 smd paste-1.5: 1(-6,-2) 3(-4,-2) 5(-2,-2) 7(0,-2) 11(4,-2) 13(6,-2)
  rect 1.4x3 smd far side paste-1.5: 2(-6,-2) 4(-4,-2) 6(-2,-2) 8(0,-2) 12(4,-2) 14(6,-2)
  rect 1.3x3 smd paste-1.5: 9(2,-2)
  rect 1.3x3 smd far side paste-1.5: 10(2,-2)
  silkscreen extent -8.33,0 8.33,6.4, body extent -8.32,-2.5 8.33,6.4, height 2.35
OSC_SI-TIME_3.2X2.5X0.75mm [mm] "Si Time Oscillators, 4 Pin, Pitch 2.1mm, 3.2mm x 2.5mm x0.75mm"
  rect 1.2x1.4 smd: 1(-0.95,1.1) 2(-0.95,-1.1) 3(0.95,-1.1) 4(0.95,1.1)
  silkscreen extent -2.17,-1.62 0,1.63, body extent -1.27,-1.62 1.28,1.63, height 0.8
OSCCC200X250X90-4N [mm] "Oscillator, corner concave; 4 pin, 2.50mm L X 2.00mm W X 0.90mm H, IPC Medium Density"
  rect 1.1x1.2 smd: 1(-0.8,1) 2(-0.8,-1) 3(0.8,-1) 4(0.8,1)
  silkscreen extent -1.97,0.88 -1.72,1.12, body extent -1.07,-1.32 1.08,1.33, height 0.8
PB_OMRON_B3U-1100P [mm] "Body 1.2x3x2.5mm Ultra-Small Tactile Pushbutton Switch, (with Ground Terminal), OMRON B3U Series"
  rect 0.8x1.7 smd: 1(-1.7,0) 2(1.7,0)
  rect 0.8x1.1 smd: 3(0,-1.65)
  silkscreen extent -1.5,-1.25 1.5,1.25, body extent -2,-1.95 2,1.25, height 1.75
QFN40P600X400X100-41N-R370X168 [mm] "QFN, 0.40mm Pitch, Rect., Pin 1 on Short Dimension; 40 Pin, 4.00mm L X 6.00mm W X 1.00mm H Body (w/Thermal Tab 3.70 X 1.68 mm), IPC Medium Density"
  oval 0.85x0.2 smd: 1(-2.95,1.4) 2(-2.95,1) 3(-2.95,0.6) 4(-2.95,0.2) 5(-2.95,-0.2) 6(-2.95,-0.6) 7(-2.95,-1) 8(-2.95,-1.4) 21(2.95,-1.4) 22(2.95,-1) 23(2.95,-0.6) 24(2.95,-0.2) 25(2.95,0.2) 26(2.95,0.6) 27(2.95,1) 28(2.95,1.4)
  oval 0.2x0.85 smd: 9(-2.2,-1.95) 10(-1.8,-1.95) 11(-1.4,-1.95) 12(-1,-1.95) 13(-0.6,-1.95) 14(-0.2,-1.95) 15(0.2,-1.95) 16(0.6,-1.95) 17(1,-1.95) 18(1.4,-1.95) 19(1.8,-1.95) 20(2.2,-1.95) 29(2.2,1.95) 30(1.8,1.95) 31(1.4,1.95) 32(1,1.95) 33(0.6,1.95) 34(0.2,1.95) 35(-0.2,1.95) 36(-0.6,1.95) 37(-1,1.95) 38(-1.4,1.95) 39(-1.8,1.95) 40(-2.2,1.95)
  rect 3.7x1.65 smd paste-0.405: 41(0,0)
  silkscreen extent -4.08,-2 3,2, body extent -3,-2 3,2, height 1